# KiCad board rgbwstrip120_250_panel.kicad_pcb (continued)
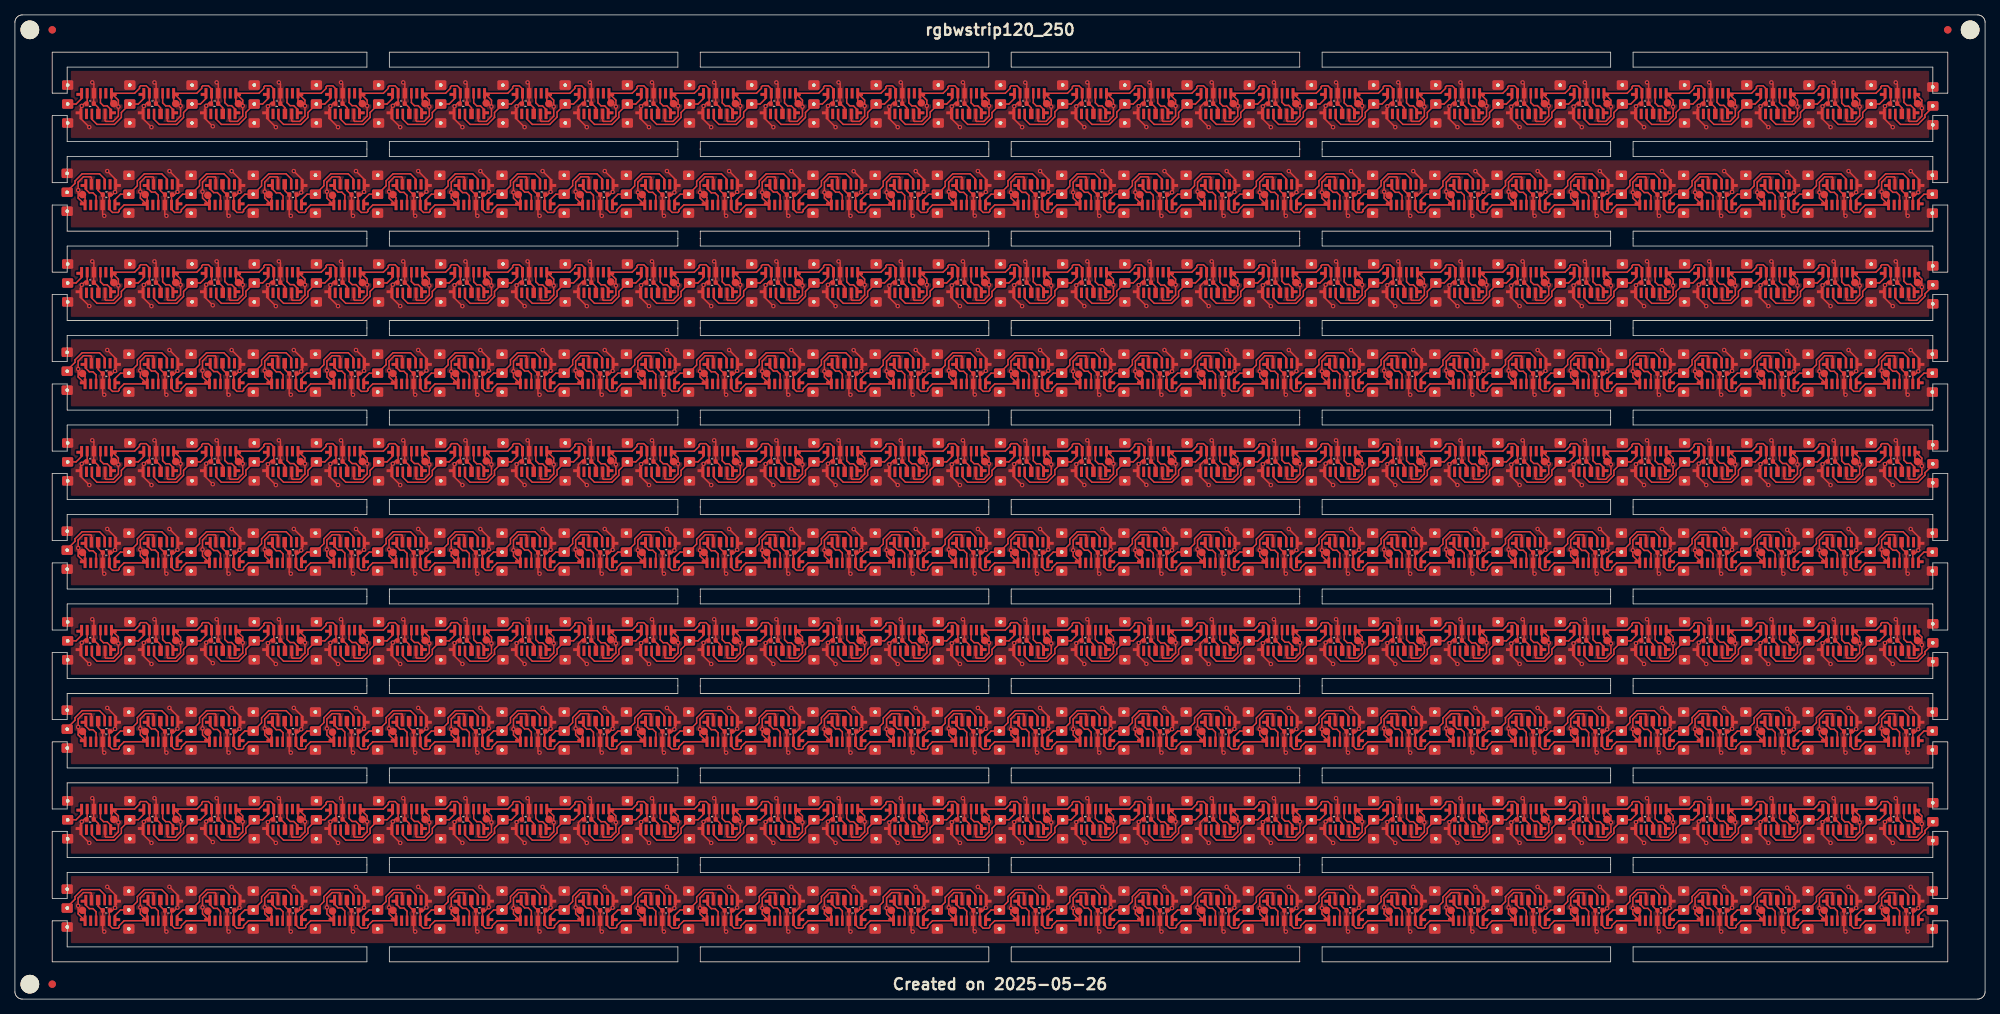
[diagram p0: board, top side]
## Nets (continued)
Board_5-unconnected-(U12-NC-Pad2): U12#7.2
Board_5-unconnected-(U13-NC-Pad2): U13.2
Board_5-unconnected-(U14-NC-Pad2): U14#10.2
Board_5-unconnected-(U15-NC-Pad2): U15#2.2
Board_5-unconnected-(U16-NC-Pad2): U16#10.2
Board_5-unconnected-(U17-NC-Pad2): U17#8.2
Board_5-unconnected-(U18-NC-Pad2): U18#7.2
Board_5-unconnected-(U19-NC-Pad2): U19#3.2
Board_5-unconnected-(U20-NC-Pad2): U20#6.2
Board_5-unconnected-(U21-NC-Pad2): U21#5.2
Board_5-unconnected-(U22-NC-Pad2): U22#5.2
Board_5-unconnected-(U23-NC-Pad2): U23#7.2
Board_5-unconnected-(U24-NC-Pad2): U24#6.2
Board_5-unconnected-(U25-NC-Pad2): U25#7.2
Board_5-unconnected-(U26-NC-Pad2): U26#5.2
Board_5-unconnected-(U27-NC-Pad2): U27#4.2
Board_5-unconnected-(U28-NC-Pad2): U28#2.2
Board_5-unconnected-(U29-NC-Pad2): U29#10.2
Board_5-unconnected-(U30-NC-Pad2): U30#10.2
Board_5-unconnected-(U31-NC-Pad2): U31#10.2
Board_5-unconnected-(U32-NC-Pad2): U32#10.2
Board_5-unconnected-(U33-NC-Pad2): U33#10.2
Board_5-unconnected-(U34-NC-Pad2): U34#3.2
Board_5-unconnected-(U35-NC-Pad2): U35#5.2
Board_5-unconnected-(U36-NC-Pad2): U36#8.2
Board_5-unconnected-(U37-NC-Pad2): U37#3.2
Board_5-unconnected-(U38-NC-Pad2): U38#2.2
Board_5-unconnected-(U39-NC-Pad2): U39#5.2
Board_5-unconnected-(U40-NC-Pad2): U40#10.2
Board_5-unconnected-(U41-NC-Pad2): U41#4.2
Board_5-unconnected-(U42-NC-Pad2): U42#10.2
Board_5-unconnected-(U43-NC-Pad2): U43#7.2
Board_5-unconnected-(U44-NC-Pad2): U44#2.2
Board_5-unconnected-(U45-NC-Pad2): U45#9.2
Board_5-unconnected-(U46-NC-Pad2): U46#9.2
Board_5-unconnected-(U47-NC-Pad2): U47#4.2
Board_5-unconnected-(U48-NC-Pad2): U48#7.2
Board_5-unconnected-(U49-NC-Pad2): U49#8.2
Board_5-unconnected-(U50-NC-Pad2): U50#5.2
Board_5-unconnected-(U51-NC-Pad2): U51#2.2
Board_5-unconnected-(U52-NC-Pad2): U52#3.2
Board_5-unconnected-(U53-NC-Pad2): U53#9.2
Board_5-unconnected-(U54-NC-Pad2): U54.2
Board_5-unconnected-(U55-NC-Pad2): U55.2
Board_5-unconnected-(U56-NC-Pad2): U56#10.2
Board_5-unconnected-(U57-NC-Pad2): U57#9.2
Board_5-unconnected-(U58-NC-Pad2): U58#2.2
Board_5-unconnected-(U59-NC-Pad2): U59#6.2
Board_5-unconnected-(U60-NC-Pad2): U60#6.2
Board_6-+3.3V: C1#6.1 C2.1 C3#10.1 C4#3.1 C5#8.1 C6#3.1 C7#8.1 C8#7.1 C9#5.1 C10#10.1 C11#4.1 C12#2.1 C13#3.1 C14#2.1 C15#9.1 C16#5.1 C17#3.1 C18#2.1 C19#9.1 C20#6.1 C21#10.1 C22#6.1 C23#3.1 C24#2.1 C25.1 C26#6.1 C27#2.1 C28#9.1 C29#5.1 C30#6.1 J1#6.1 J2#4.1 J3#9.1 J4#3.1 J5#8.1 J6#9.1 J7#2.1 J8#2.1 J9#8.1 J10#6.1 J11#3.1 J12#2.1 J13#2.1 J14.1 J15#9.1 J16#2.1 J17#8.1 J18#9.1 J19#5.1 J20#2.1 J21#2.1 J22#7.1 J23#2.1 J24#8.1 J25#7.1 J26#2.1 J27#2.1 J28#5.1 J29#9.1 J30#8.1 J31#4.1 K1#7.1 K2#4.1 K3#4.1 K4#6.1 K5#3.1 K6#6.1 K7#7.1 K8.1 K9#5.1 K10#8.1 K11#3.1 K12#5.1 K13#7.1 K14#8.1 K15#8.1 K16#7.1 K17#9.1 K18#10.1 K19#7.1 K20#7.1 K21.1 K22#5.1 K23.1 K24#9.1 K25#9.1 K26#8.1 K27.1 K28#5.1 K29.1 K30#5.1 U1#5.1 U1#5.5 U2#4.1 U2#4.5 U3#4.1 U3#4.5 U4#9.1 U4#9.5 U5#9.1 U5#9.5 U6#7.1 U6#7.5 U7#2.1 U7#2.5 U8.1 U8.5 U9#9.1 U9#9.5 U10#8.1 U10#8.5 U11#6.1 U11#6.5 U12#4.1 U12#4.5 U13#6.1 U13#6.5 U14#2.1 U14#2.5 U15#8.1 U15#8.5 U16#9.1 U16#9.5 U17#2.1 U17#2.5 U18#4.1 U18#4.5 U19.1 U19.5 U20#2.1 U20#2.5 U21#10.1 U21#10.5 U22#6.1 U22#6.5 U23#4.1 U23#4.5 U24#9.1 U24#9.5 U25#3.1 U25#3.5 U26#3.1 U26#3.5 U27#7.1 U27#7.5 U28#7.1 U28#7.5 U29#9.1 U29#9.5 U30#6.1 U30#6.5 U31#4.1 U31#4.5 U32#6.1 U32#6.5 U33#4.1 U33#4.5 U34#4.1 U34#4.5 U35#4.1 U35#4.5 U36#2.1 U36#2.5 U37#4.1 U37#4.5 U38#10.1 U38#10.5 U39.1 U39.5 U40.1 U40.5 U41#3.1 U41#3.5 U42#2.1 U42#2.5 U43#4.1 U43#4.5 U44#5.1 U44#5.5 U45#7.1 U45#7.5 U46#7.1 U46#7.5 U47#6.1 U47#6.5 U48#9.1 U48#9.5 U49#10.1 U49#10.5 U50#2.1 U50#2.5 U51#5.1 U51#5.5 U52#10.1 U52#10.5 U53#4.1 U53#4.5 U54#10.1 U54#10.5 U55#10.1 U55#10.5 U56#9.1 U56#9.5 U57#8.1 U57#8.5 U58#10.1 U58#10.5 U59#8.1 U59#8.5 U60#4.1 U60#4.5
Board_6-GND: C1#6.2 C2.2 C3#10.2 C4#3.2 C5#8.2 C6#3.2 C7#8.2 C8#7.2 C9#5.2 C10#10.2 C11#4.2 C12#2.2 C13#3.2 C14#2.2 C15#9.2 C16#5.2 C17#3.2 C18#2.2 C19#9.2 C20#6.2 C21#10.2 C22#6.2 C23#3.2 C24#2.2 C25.2 C26#6.2 C27#2.2 C28#9.2 C29#5.2 C30#6.2 J1#6.3 J2#4.3 J3#9.3 J4#3.3 J5#8.3 J6#9.3 J7#2.3 J8#2.3 J9#8.3 J10#6.3 J11#3.3 J12#2.3 J13#2.3 J14.3 J15#9.3 J16#2.3 J17#8.3 J18#9.3 J19#5.3 J20#2.3 J21#2.3 J22#7.3 J23#2.3 J24#8.3 J25#7.3 J26#2.3 J27#2.3 J28#5.3 J29#9.3 J30#8.3 J31#4.3 U1#5.4 U2#4.4 U3#4.4 U4#9.4 U5#9.4 U6#7.4 U7#2.4 U8.4 U9#9.4 U10#8.4 U11#6.4 U12#4.4 U13#6.4 U14#2.4 U15#8.4 U16#9.4 U17#2.4 U18#4.4 U19.4 U20#2.4 U21#10.4 U22#6.4 U23#4.4 U24#9.4 U25#3.4 U26#3.4 U27#7.4 U28#7.4 U29#9.4 U30#6.4 U31#4.4 U32#6.4 U33#4.4 U34#4.4 U35#4.4 U36#2.4 U37#4.4 U38#10.4 U39.4 U40.4 U41#3.4 U42#2.4 U43#4.4 U44#5.4 U45#7.4 U46#7.4 U47#6.4 U48#9.4 U49#10.4 U50#2.4 U51#5.4 U52#10.4 U53#4.4 U54#10.4 U55#10.4 U56#9.4 U57#8.4 U58#10.4 U59#8.4 U60#4.4
Board_6-Net-(J1-Pin_2): J1#6.2 U2#4.6
Board_6-Net-(J2-Pin_2): J2#4.2 U1#5.3 U4#9.6
Board_6-Net-(J3-Pin_2): J3#9.2 U3#4.3 U6#7.6
Board_6-Net-(J4-Pin_2): J4#3.2 U5#9.3 U8.6
Board_6-Net-(J5-Pin_2): J5#8.2 U7#2.3 U10#8.6
Board_6-Net-(J6-Pin_2): J6#9.2 U9#9.3 U12#4.6
Board_6-Net-(J7-Pin_2): J7#2.2 U11#6.3 U14#2.6
Board_6-Net-(J8-Pin_2): J8#2.2 U13#6.3 U16#9.6
Board_6-Net-(J9-Pin_2): J9#8.2 U15#8.3 U18#4.6
Board_6-Net-(J10-Pin_2): J10#6.2 U17#2.3 U20#2.6
Board_6-Net-(J11-Pin_2): J11#3.2 U19.3 U22#6.6
Board_6-Net-(J12-Pin_2): J12#2.2 U21#10.3 U24#9.6
Board_6-Net-(J13-Pin_2): J13#2.2 U23#4.3 U26#3.6
Board_6-Net-(J14-Pin_2): J14.2 U25#3.3 U28#7.6
Board_6-Net-(J15-Pin_2): J15#9.2 U27#7.3 U30#6.6
Board_6-Net-(J16-Pin_2): J16#2.2 U29#9.3 U32#6.6
Board_6-Net-(J17-Pin_2): J17#8.2 U31#4.3 U34#4.6
Board_6-Net-(J18-Pin_2): J18#9.2 U33#4.3 U36#2.6
Board_6-Net-(J19-Pin_2): J19#5.2 U35#4.3 U38#10.6
Board_6-Net-(J20-Pin_2): J20#2.2 U37#4.3 U40.6
Board_6-Net-(J21-Pin_2): J21#2.2 U39.3 U42#2.6
Board_6-Net-(J22-Pin_2): J22#7.2 U41#3.3 U44#5.6
Board_6-Net-(J23-Pin_2): J23#2.2 U43#4.3 U46#7.6
Board_6-Net-(J24-Pin_2): J24#8.2 U45#7.3 U48#9.6
Board_6-Net-(J25-Pin_2): J25#7.2 U47#6.3 U50#2.6
Board_6-Net-(J26-Pin_2): J26#2.2 U49#10.3 U52#10.6
Board_6-Net-(J27-Pin_2): J27#2.2 U51#5.3 U54#10.6
Board_6-Net-(J28-Pin_2): J28#5.2 U53#4.3 U56#9.6
Board_6-Net-(J29-Pin_2): J29#9.2 U55#10.3 U58#10.6
Board_6-Net-(J30-Pin_2): J30#8.2 U57#8.3 U60#4.6
Board_6-Net-(J31-Pin_2): J31#4.2 U59#8.3
Board_6-Net-(U1-DIN): U1#5.6 U2#4.3
Board_6-Net-(U3-DIN): U3#4.6 U4#9.3
Board_6-Net-(U5-DIN): U5#9.6 U6#7.3
Board_6-Net-(U7-DIN): U7#2.6 U8.3
Board_6-Net-(U10-DOUT): U9#9.6 U10#8.3
Board_6-Net-(U11-DIN): U11#6.6 U12#4.3
Board_6-Net-(U13-DIN): U13#6.6 U14#2.3
Board_6-Net-(U15-DIN): U15#8.6 U16#9.3
Board_6-Net-(U17-DIN): U17#2.6 U18#4.3
Board_6-Net-(U19-DIN): U19.6 U20#2.3
Board_6-Net-(U21-DIN): U21#10.6 U22#6.3
Board_6-Net-(U23-DIN): U23#4.6 U24#9.3
Board_6-Net-(U25-DIN): U25#3.6 U26#3.3
Board_6-Net-(U27-DIN): U27#7.6 U28#7.3
Board_6-Net-(U29-DIN): U29#9.6 U30#6.3
Board_6-Net-(U31-DIN): U31#4.6 U32#6.3
Board_6-Net-(U33-DIN): U33#4.6 U34#4.3
Board_6-Net-(U35-DIN): U35#4.6 U36#2.3
Board_6-Net-(U37-DIN): U37#4.6 U38#10.3
Board_6-Net-(U39-DIN): U39.6 U40.3
Board_6-Net-(U41-DIN): U41#3.6 U42#2.3
Board_6-Net-(U43-DIN): U43#4.6 U44#5.3
Board_6-Net-(U45-DIN): U45#7.6 U46#7.3
Board_6-Net-(U47-DIN): U47#6.6 U48#9.3
Board_6-Net-(U49-DIN): U49#10.6 U50#2.3
Board_6-Net-(U51-DIN): U51#5.6 U52#10.3
Board_6-Net-(U53-DIN): U53#4.6 U54#10.3
Board_6-Net-(U55-DIN): U55#10.6 U56#9.3
Board_6-Net-(U57-DIN): U57#8.6 U58#10.3
Board_6-Net-(U59-DIN): U59#8.6 U60#4.3
Board_6-unconnected-(U1-NC-Pad2): U1#5.2
Board_6-unconnected-(U2-NC-Pad2): U2#4.2
Board_6-unconnected-(U3-NC-Pad2): U3#4.2
Board_6-unconnected-(U4-NC-Pad2): U4#9.2
Board_6-unconnected-(U5-NC-Pad2): U5#9.2
Board_6-unconnected-(U6-NC-Pad2): U6#7.2
Board_6-unconnected-(U7-NC-Pad2): U7#2.2
Board_6-unconnected-(U8-NC-Pad2): U8.2
Board_6-unconnected-(U9-NC-Pad2): U9#9.2
Board_6-unconnected-(U10-NC-Pad2): U10#8.2
Board_6-unconnected-(U11-NC-Pad2): U11#6.2
Board_6-unconnected-(U12-NC-Pad2): U12#4.2
Board_6-unconnected-(U13-NC-Pad2): U13#6.2
Board_6-unconnected-(U14-NC-Pad2): U14#2.2
Board_6-unconnected-(U15-NC-Pad2): U15#8.2
Board_6-unconnected-(U16-NC-Pad2): U16#9.2
Board_6-unconnected-(U17-NC-Pad2): U17#2.2
Board_6-unconnected-(U18-NC-Pad2): U18#4.2
Board_6-unconnected-(U19-NC-Pad2): U19.2
Board_6-unconnected-(U20-NC-Pad2): U20#2.2
Board_6-unconnected-(U21-NC-Pad2): U21#10.2
Board_6-unconnected-(U22-NC-Pad2): U22#6.2
Board_6-unconnected-(U23-NC-Pad2): U23#4.2
Board_6-unconnected-(U24-NC-Pad2): U24#9.2
Board_6-unconnected-(U25-NC-Pad2): U25#3.2
Board_6-unconnected-(U26-NC-Pad2): U26#3.2
Board_6-unconnected-(U27-NC-Pad2): U27#7.2
Board_6-unconnected-(U28-NC-Pad2): U28#7.2
Board_6-unconnected-(U29-NC-Pad2): U29#9.2
Board_6-unconnected-(U30-NC-Pad2): U30#6.2
Board_6-unconnected-(U31-NC-Pad2): U31#4.2
Board_6-unconnected-(U32-NC-Pad2): U32#6.2
Board_6-unconnected-(U33-NC-Pad2): U33#4.2
Board_6-unconnected-(U34-NC-Pad2): U34#4.2
Board_6-unconnected-(U35-NC-Pad2): U35#4.2
Board_6-unconnected-(U36-NC-Pad2): U36#2.2
Board_6-unconnected-(U37-NC-Pad2): U37#4.2
Board_6-unconnected-(U38-NC-Pad2): U38#10.2
Board_6-unconnected-(U39-NC-Pad2): U39.2
Board_6-unconnected-(U40-NC-Pad2): U40.2
Board_6-unconnected-(U41-NC-Pad2): U41#3.2
Board_6-unconnected-(U42-NC-Pad2): U42#2.2
Board_6-unconnected-(U43-NC-Pad2): U43#4.2
Board_6-unconnected-(U44-NC-Pad2): U44#5.2
Board_6-unconnected-(U45-NC-Pad2): U45#7.2
Board_6-unconnected-(U46-NC-Pad2): U46#7.2
Board_6-unconnected-(U47-NC-Pad2): U47#6.2
Board_6-unconnected-(U48-NC-Pad2): U48#9.2
Board_6-unconnected-(U49-NC-Pad2): U49#10.2
Board_6-unconnected-(U50-NC-Pad2): U50#2.2
Board_6-unconnected-(U51-NC-Pad2): U51#5.2
Board_6-unconnected-(U52-NC-Pad2): U52#10.2
Board_6-unconnected-(U53-NC-Pad2): U53#4.2
Board_6-unconnected-(U54-NC-Pad2): U54#10.2
Board_6-unconnected-(U55-NC-Pad2): U55#10.2
Board_6-unconnected-(U56-NC-Pad2): U56#9.2
Board_6-unconnected-(U57-NC-Pad2): U57#8.2
Board_6-unconnected-(U58-NC-Pad2): U58#10.2
Board_6-unconnected-(U59-NC-Pad2): U59#8.2
Board_6-unconnected-(U60-NC-Pad2): U60#4.2
Board_7-+3.3V: C1#4.1 C2#4.1 C3#4.1 C4#5.1 C5#6.1 C6#5.1 C7#5.1 C8#2.1 C9#7.1 C10#5.1 C11#5.1 C12.1 C13#6.1 C14#10.1 C15#5.1 C16#9.1 C17#8.1 C18#8.1 C19.1 C20#5.1 C21.1 C22#3.1 C23#6.1 C24#5.1 C25#9.1 C26#5.1 C27#5.1 C28#5.1 C29#3.1 C30#2.1 J1#8.1 J2#8.1 J3#8.1 J4#7.1 J5#9.1 J6#2.1 J7.1 J8#7.1 J9#5.1 J10#7.1 J11#8.1 J12#10.1 J13#3.1 J14#3.1 J15#7.1 J16#6.1 J17#7.1 J18#8.1 J19#6.1 J20#10.1 J21#9.1 J22#6.1 J23#4.1 J24#5.1 J25#8.1 J26.1 J27#3.1 J28#10.1 J29#2.1 J30#5.1 J31#2.1 K1#9.1 K2#5.1 K3#8.1 K4#4.1 K5#2.1 K6#10.1 K7#8.1 K8#9.1 K9#8.1 K10#2.1 K11#9.1 K12#10.1 K13.1 K14#5.1 K15.1 K16#6.1 K17.1 K18#6.1 K19#3.1 K20#8.1 K21#4.1 K22#2.1 K23#2.1 K24.1 K25.1 K26#3.1 K27#4.1 K28#8.1 K29#3.1 K30#9.1 U1#4.1 U1#4.5 U2#3.1 U2#3.5 U3.1 U3.5 U4#10.1 U4#10.5 U5#3.1 U5#3.5 U6#2.1 U6#2.5 U7#8.1 U7#8.5 U8#4.1 U8#4.5 U9#3.1 U9#3.5 U10#5.1 U10#5.5 U11#4.1 U11#4.5 U12#2.1 U12#2.5 U13#10.1 U13#10.5 U14#4.1 U14#4.5 U15#6.1 U15#6.5 U16#7.1 U16#7.5 U17#4.1 U17#4.5 U18#2.1 U18#2.5 U19#5.1 U19#5.5 U20#8.1 U20#8.5 U21#2.1 U21#2.5 U22#8.1 U22#8.5 U23#2.1 U23#2.5 U24#10.1 U24#10.5 U25#2.1 U25#2.5 U26#8.1 U26#8.5 U27.1 U27.5 U28#6.1 U28#6.5 U29#4.1 U29#4.5 U30.1 U30.5 U31#7.1 U31#7.5 U32#8.1 U32#8.5 U33.1 U33.5 U34#8.1 U34#8.5 U35#2.1 U35#2.5 U36#7.1 U36#7.5 U37#7.1 U37#7.5 U38#5.1 U38#5.5 U39#9.1 U39#9.5 U40#4.1 U40#4.5 U41#6.1 U41#6.5 U42#5.1 U42#5.5 U43#6.1 U43#6.5 U44#8.1 U44#8.5 U45#4.1 U45#4.5 U46#10.1 U46#10.5 U47#3.1 U47#3.5 U48#4.1 U48#4.5 U49#9.1 U49#9.5 U50#6.1 U50#6.5 U51#7.1 U51#7.5 U52.1 U52.5 U53.1 U53.5 U54#3.1 U54#3.5 U55#8.1 U55#8.5 U56#7.1 U56#7.5 U57#3.1 U57#3.5 U58.1 U58.5 U59#5.1 U59#5.5 U60#7.1 U60#7.5
Board_7-GND: C1#4.2 C2#4.2 C3#4.2 C4#5.2 C5#6.2 C6#5.2 C7#5.2 C8#2.2 C9#7.2 C10#5.2 C11#5.2 C12.2 C13#6.2 C14#10.2 C15#5.2 C16#9.2 C17#8.2 C18#8.2 C19.2 C20#5.2 C21.2 C22#3.2 C23#6.2 C24#5.2 C25#9.2 C26#5.2 C27#5.2 C28#5.2 C29#3.2 C30#2.2 J1#8.3 J2#8.3 J3#8.3 J4#7.3 J5#9.3 J6#2.3 J7.3 J8#7.3 J9#5.3 J10#7.3 J11#8.3 J12#10.3 J13#3.3 J14#3.3 J15#7.3 J16#6.3 J17#7.3 J18#8.3 J19#6.3 J20#10.3 J21#9.3 J22#6.3 J23#4.3 J24#5.3 J25#8.3 J26.3 J27#3.3 J28#10.3 J29#2.3 J30#5.3 J31#2.3 U1#4.4 U2#3.4 U3.4 U4#10.4 U5#3.4 U6#2.4 U7#8.4 U8#4.4 U9#3.4 U10#5.4 U11#4.4 U12#2.4 U13#10.4 U14#4.4 U15#6.4 U16#7.4 U17#4.4 U18#2.4 U19#5.4 U20#8.4 U21#2.4 U22#8.4 U23#2.4 U24#10.4 U25#2.4 U26#8.4 U27.4 U28#6.4 U29#4.4 U30.4 U31#7.4 U32#8.4 U33.4 U34#8.4 U35#2.4 U36#7.4 U37#7.4 U38#5.4 U39#9.4 U40#4.4 U41#6.4 U42#5.4 U43#6.4 U44#8.4 U45#4.4 U46#10.4 U47#3.4 U48#4.4 U49#9.4 U50#6.4 U51#7.4 U52.4 U53.4 U54#3.4 U55#8.4 U56#7.4 U57#3.4 U58.4 U59#5.4 U60#7.4
Board_7-Net-(J1-Pin_2): J1#8.2 U2#3.6
Board_7-Net-(J2-Pin_2): J2#8.2 U1#4.3 U4#10.6
Board_7-Net-(J3-Pin_2): J3#8.2 U3.3 U6#2.6
Board_7-Net-(J4-Pin_2): J4#7.2 U5#3.3 U8#4.6
Board_7-Net-(J5-Pin_2): J5#9.2 U7#8.3 U10#5.6
Board_7-Net-(J6-Pin_2): J6#2.2 U9#3.3 U12#2.6
Board_7-Net-(J7-Pin_2): J7.2 U11#4.3 U14#4.6
Board_7-Net-(J8-Pin_2): J8#7.2 U13#10.3 U16#7.6
Board_7-Net-(J9-Pin_2): J9#5.2 U15#6.3 U18#2.6
Board_7-Net-(J10-Pin_2): J10#7.2 U17#4.3 U20#8.6
Board_7-Net-(J11-Pin_2): J11#8.2 U19#5.3 U22#8.6
Board_7-Net-(J12-Pin_2): J12#10.2 U21#2.3 U24#10.6
Board_7-Net-(J13-Pin_2): J13#3.2 U23#2.3 U26#8.6
Board_7-Net-(J14-Pin_2): J14#3.2 U25#2.3 U28#6.6
Board_7-Net-(J15-Pin_2): J15#7.2 U27.3 U30.6
Board_7-Net-(J16-Pin_2): J16#6.2 U29#4.3 U32#8.6
Board_7-Net-(J17-Pin_2): J17#7.2 U31#7.3 U34#8.6
Board_7-Net-(J18-Pin_2): J18#8.2 U33.3 U36#7.6
Board_7-Net-(J19-Pin_2): J19#6.2 U35#2.3 U38#5.6
Board_7-Net-(J20-Pin_2): J20#10.2 U37#7.3 U40#4.6
Board_7-Net-(J21-Pin_2): J21#9.2 U39#9.3 U42#5.6
Board_7-Net-(J22-Pin_2): J22#6.2 U41#6.3 U44#8.6
Board_7-Net-(J23-Pin_2): J23#4.2 U43#6.3 U46#10.6
Board_7-Net-(J24-Pin_2): J24#5.2 U45#4.3 U48#4.6
Board_7-Net-(J25-Pin_2): J25#8.2 U47#3.3 U50#6.6
Board_7-Net-(J26-Pin_2): J26.2 U49#9.3 U52.6
Board_7-Net-(J27-Pin_2): J27#3.2 U51#7.3 U54#3.6
Board_7-Net-(J28-Pin_2): J28#10.2 U53.3 U56#7.6
Board_7-Net-(J29-Pin_2): J29#2.2 U55#8.3 U58.6
Board_7-Net-(J30-Pin_2): J30#5.2 U57#3.3 U60#7.6
Board_7-Net-(J31-Pin_2): J31#2.2 U59#5.3
Board_7-Net-(U1-DIN): U1#4.6 U2#3.3
Board_7-Net-(U3-DIN): U3.6 U4#10.3
Board_7-Net-(U5-DIN): U5#3.6 U6#2.3
Board_7-Net-(U7-DIN): U7#8.6 U8#4.3
Board_7-Net-(U10-DOUT): U9#3.6 U10#5.3
Board_7-Net-(U11-DIN): U11#4.6 U12#2.3
Board_7-Net-(U13-DIN): U13#10.6 U14#4.3
Board_7-Net-(U15-DIN): U15#6.6 U16#7.3
Board_7-Net-(U17-DIN): U17#4.6 U18#2.3
Board_7-Net-(U19-DIN): U19#5.6 U20#8.3
Board_7-Net-(U21-DIN): U21#2.6 U22#8.3
Board_7-Net-(U23-DIN): U23#2.6 U24#10.3
Board_7-Net-(U25-DIN): U25#2.6 U26#8.3
Board_7-Net-(U27-DIN): U27.6 U28#6.3
Board_7-Net-(U29-DIN): U29#4.6 U30.3
Board_7-Net-(U31-DIN): U31#7.6 U32#8.3
Board_7-Net-(U33-DIN): U33.6 U34#8.3
Board_7-Net-(U35-DIN): U35#2.6 U36#7.3
Board_7-Net-(U37-DIN): U37#7.6 U38#5.3
Board_7-Net-(U39-DIN): U39#9.6 U40#4.3
Board_7-Net-(U41-DIN): U41#6.6 U42#5.3
Board_7-Net-(U43-DIN): U43#6.6 U44#8.3
Board_7-Net-(U45-DIN): U45#4.6 U46#10.3
Board_7-Net-(U47-DIN): U47#3.6 U48#4.3
Board_7-Net-(U49-DIN): U49#9.6 U50#6.3
Board_7-Net-(U51-DIN): U51#7.6 U52.3
Board_7-Net-(U53-DIN): U53.6 U54#3.3
Board_7-Net-(U55-DIN): U55#8.6 U56#7.3
Board_7-Net-(U57-DIN): U57#3.6 U58.3
Board_7-Net-(U59-DIN): U59#5.6 U60#7.3
Board_7-unconnected-(U1-NC-Pad2): U1#4.2
Board_7-unconnected-(U2-NC-Pad2): U2#3.2
Board_7-unconnected-(U3-NC-Pad2): U3.2
Board_7-unconnected-(U4-NC-Pad2): U4#10.2
Board_7-unconnected-(U5-NC-Pad2): U5#3.2
Board_7-unconnected-(U6-NC-Pad2): U6#2.2
Board_7-unconnected-(U7-NC-Pad2): U7#8.2
Board_7-unconnected-(U8-NC-Pad2): U8#4.2
Board_7-unconnected-(U9-NC-Pad2): U9#3.2
Board_7-unconnected-(U10-NC-Pad2): U10#5.2
Board_7-unconnected-(U11-NC-Pad2): U11#4.2
Board_7-unconnected-(U12-NC-Pad2): U12#2.2
Board_7-unconnected-(U13-NC-Pad2): U13#10.2
Board_7-unconnected-(U14-NC-Pad2): U14#4.2
Board_7-unconnected-(U15-NC-Pad2): U15#6.2
Board_7-unconnected-(U16-NC-Pad2): U16#7.2
Board_7-unconnected-(U17-NC-Pad2): U17#4.2
Board_7-unconnected-(U18-NC-Pad2): U18#2.2
Board_7-unconnected-(U19-NC-Pad2): U19#5.2
Board_7-unconnected-(U20-NC-Pad2): U20#8.2
Board_7-unconnected-(U21-NC-Pad2): U21#2.2
Board_7-unconnected-(U22-NC-Pad2): U22#8.2
Board_7-unconnected-(U23-NC-Pad2): U23#2.2
Board_7-unconnected-(U24-NC-Pad2): U24#10.2
Board_7-unconnected-(U25-NC-Pad2): U25#2.2
Board_7-unconnected-(U26-NC-Pad2): U26#8.2
Board_7-unconnected-(U27-NC-Pad2): U27.2
Board_7-unconnected-(U28-NC-Pad2): U28#6.2
Board_7-unconnected-(U29-NC-Pad2): U29#4.2
Board_7-unconnected-(U30-NC-Pad2): U30.2
Board_7-unconnected-(U31-NC-Pad2): U31#7.2
Board_7-unconnected-(U32-NC-Pad2): U32#8.2
Board_7-unconnected-(U33-NC-Pad2): U33.2
Board_7-unconnected-(U34-NC-Pad2): U34#8.2
Board_7-unconnected-(U35-NC-Pad2): U35#2.2
Board_7-unconnected-(U36-NC-Pad2): U36#7.2
Board_7-unconnected-(U37-NC-Pad2): U37#7.2
Board_7-unconnected-(U38-NC-Pad2): U38#5.2
Board_7-unconnected-(U39-NC-Pad2): U39#9.2
Board_7-unconnected-(U40-NC-Pad2): U40#4.2
Board_7-unconnected-(U41-NC-Pad2): U41#6.2
Board_7-unconnected-(U42-NC-Pad2): U42#5.2
Board_7-unconnected-(U43-NC-Pad2): U43#6.2
Board_7-unconnected-(U44-NC-Pad2): U44#8.2
Board_7-unconnected-(U45-NC-Pad2): U45#4.2
Board_7-unconnected-(U46-NC-Pad2): U46#10.2
Board_7-unconnected-(U47-NC-Pad2): U47#3.2
Board_7-unconnected-(U48-NC-Pad2): U48#4.2
Board_7-unconnected-(U49-NC-Pad2): U49#9.2
Board_7-unconnected-(U50-NC-Pad2): U50#6.2
Board_7-unconnected-(U51-NC-Pad2): U51#7.2
Board_7-unconnected-(U52-NC-Pad2): U52.2
Board_7-unconnected-(U53-NC-Pad2): U53.2
Board_7-unconnected-(U54-NC-Pad2): U54#3.2
Board_7-unconnected-(U55-NC-Pad2): U55#8.2
Board_7-unconnected-(U56-NC-Pad2): U56#7.2
Board_7-unconnected-(U57-NC-Pad2): U57#3.2
Board_7-unconnected-(U58-NC-Pad2): U58.2
Board_7-unconnected-(U59-NC-Pad2): U59#5.2
Board_7-unconnected-(U60-NC-Pad2): U60#7.2
Board_8-+3.3V: C1#9.1 C2#7.1 C3#9.1 C4#4.1 C5#10.1 C6#4.1 C7.1 C8#5.1 C9#9.1 C10#9.1 C11#9.1 C12#3.1 C13#4.1 C14#9.1 C15#2.1 C16.1 C17#5.1 C18#3.1 C19#5.1 C20#8.1 C21#7.1 C22#10.1 C23#9.1 C24#7.1 C25#7.1 C26#4.1 C27#6.1 C28#7.1 C29.1 C30#10.1 J1#2.1 J2#3.1 J3#7.1 J4#8.1 J5#4.1 J6#3.1 J7#9.1 J8#8.1 J9#7.1 J10#4.1 J11#5.1 J12#4.1 J13#8.1 J14#2.1 J15#4.1 J16.1 J17#4.1 J18#6.1 J19#9.1 J20#8.1 J21#4.1 J22#8.1 J23#3.1 J24#7.1 J25#4.1 J26#5.1 J27#6.1 J28#6.1 J29#3.1 J30#3.1 J31#7.1 K1#2.1 K2#3.1 K3#7.1 K4#9.1 K5#9.1 K6#3.1 K7.1 K8#7.1 K9#7.1 K10#7.1 K11.1 K12#8.1 K13#6.1 K14#3.1 K15#9.1 K16#8.1 K17#2.1 K18.1 K19#5.1 K20#5.1 K21#2.1 K22.1 K23#6.1 K24#2.1 K25#7.1 K26#7.1 K27#3.1 K28#4.1 K29#10.1 K30#10.1 U1#10.1 U1#10.5 U2#6.1 U2#6.5 U3#7.1 U3#7.5 U4.1 U4.5 U5#4.1 U5#4.5 U6#8.1 U6#8.5 U7#6.1 U7#6.5 U8#7.1 U8#7.5 U9#5.1 U9#5.5 U10#2.1 U10#2.5 U11#3.1 U11#3.5 U12#9.1 U12#9.5 U13#9.1 U13#9.5 U14#9.1 U14#9.5 U15#4.1 U15#4.5 U16#6.1 U16#6.5 U17#5.1 U17#5.5 U18#6.1 U18#6.5 U19#10.1 U19#10.5 U20#3.1 U20#3.5 U21#8.1 U21#8.5 U22#9.1 U22#9.5 U23#5.1 U23#5.5 U24#3.1 U24#3.5 U25.1 U25.5 U26#2.1 U26#2.5 U27#6.1 U27#6.5 U28#5.1 U28#5.5 U29#6.1 U29#6.5 U30#2.1 U30#2.5 U31.1 U31.5 U32#3.1 U32#3.5 U33#8.1 U33#8.5 U34#7.1 U34#7.5 U35#7.1 U35#7.5 U36#3.1 U36#3.5 U37#10.1 U37#10.5 U38#6.1 U38#6.5 U39#2.1 U39#2.5 U40#6.1 U40#6.5 U41#9.1 U41#9.5 U42#8.1 U42#8.5 U43#10.1 U43#10.5 U44#6.1 U44#6.5 U45#3.1 U45#3.5 U46#6.1 U46#6.5 U47#8.1 U47#8.5 U48.1 U48.5 U49#6.1 U49#6.5 U50#10.1 U50#10.5 U51#8.1 U51#8.5 U52#4.1 U52#4.5 U53#8.1 U53#8.5 U54#9.1 U54#9.5 U55#9.1 U55#9.5 U56#6.1 U56#6.5 U57#5.1 U57#5.5 U58#9.1 U58#9.5 U59.1 U59.5 U60.1 U60.5
Board_8-GND: C1#9.2 C2#7.2 C3#9.2 C4#4.2 C5#10.2 C6#4.2 C7.2 C8#5.2 C9#9.2 C10#9.2 C11#9.2 C12#3.2 C13#4.2 C14#9.2 C15#2.2 C16.2 C17#5.2 C18#3.2 C19#5.2 C20#8.2 C21#7.2 C22#10.2 C23#9.2 C24#7.2 C25#7.2 C26#4.2 C27#6.2 C28#7.2 C29.2 C30#10.2 J1#2.3 J2#3.3 J3#7.3 J4#8.3 J5#4.3 J6#3.3 J7#9.3 J8#8.3 J9#7.3 J10#4.3 J11#5.3 J12#4.3 J13#8.3 J14#2.3 J15#4.3 J16.3 J17#4.3 J18#6.3 J19#9.3 J20#8.3 J21#4.3 J22#8.3 J23#3.3 J24#7.3 J25#4.3 J26#5.3 J27#6.3 J28#6.3 J29#3.3 J30#3.3 J31#7.3 U1#10.4 U2#6.4 U3#7.4 U4.4 U5#4.4 U6#8.4 U7#6.4 U8#7.4 U9#5.4 U10#2.4 U11#3.4 U12#9.4 U13#9.4 U14#9.4 U15#4.4 U16#6.4 U17#5.4 U18#6.4 U19#10.4 U20#3.4 U21#8.4 U22#9.4 U23#5.4 U24#3.4 U25.4 U26#2.4 U27#6.4 U28#5.4 U29#6.4 U30#2.4 U31.4 U32#3.4 U33#8.4 U34#7.4 U35#7.4 U36#3.4 U37#10.4 U38#6.4 U39#2.4 U40#6.4 U41#9.4 U42#8.4 U43#10.4 U44#6.4 U45#3.4 U46#6.4 U47#8.4 U48.4 U49#6.4 U50#10.4 U51#8.4 U52#4.4 U53#8.4 U54#9.4 U55#9.4 U56#6.4 U57#5.4 U58#9.4 U59.4 U60.4
Board_8-Net-(J1-Pin_2): J1#2.2 U2#6.6
Board_8-Net-(J2-Pin_2): J2#3.2 U1#10.3 U4.6
Board_8-Net-(J3-Pin_2): J3#7.2 U3#7.3 U6#8.6
Board_8-Net-(J4-Pin_2): J4#8.2 U5#4.3 U8#7.6
Board_8-Net-(J5-Pin_2): J5#4.2 U7#6.3 U10#2.6
Board_8-Net-(J6-Pin_2): J6#3.2 U9#5.3 U12#9.6
Board_8-Net-(J7-Pin_2): J7#9.2 U11#3.3 U14#9.6
Board_8-Net-(J8-Pin_2): J8#8.2 U13#9.3 U16#6.6
Board_8-Net-(J9-Pin_2): J9#7.2 U15#4.3 U18#6.6
Board_8-Net-(J10-Pin_2): J10#4.2 U17#5.3 U20#3.6
Board_8-Net-(J11-Pin_2): J11#5.2 U19#10.3 U22#9.6
Board_8-Net-(J12-Pin_2): J12#4.2 U21#8.3 U24#3.6
Board_8-Net-(J13-Pin_2): J13#8.2 U23#5.3 U26#2.6
Board_8-Net-(J14-Pin_2): J14#2.2 U25.3 U28#5.6
Board_8-Net-(J15-Pin_2): J15#4.2 U27#6.3 U30#2.6
Board_8-Net-(J16-Pin_2): J16.2 U29#6.3 U32#3.6
Board_8-Net-(J17-Pin_2): J17#4.2 U31.3 U34#7.6
Board_8-Net-(J18-Pin_2): J18#6.2 U33#8.3 U36#3.6
Board_8-Net-(J19-Pin_2): J19#9.2 U35#7.3 U38#6.6
Board_8-Net-(J20-Pin_2): J20#8.2 U37#10.3 U40#6.6
Board_8-Net-(J21-Pin_2): J21#4.2 U39#2.3 U42#8.6
Board_8-Net-(J22-Pin_2): J22#8.2 U41#9.3 U44#6.6
Board_8-Net-(J23-Pin_2): J23#3.2 U43#10.3 U46#6.6
Board_8-Net-(J24-Pin_2): J24#7.2 U45#3.3 U48.6
Board_8-Net-(J25-Pin_2): J25#4.2 U47#8.3 U50#10.6
Board_8-Net-(J26-Pin_2): J26#5.2 U49#6.3 U52#4.6
Board_8-Net-(J27-Pin_2): J27#6.2 U51#8.3 U54#9.6
Board_8-Net-(J28-Pin_2): J28#6.2 U53#8.3 U56#6.6
Board_8-Net-(J29-Pin_2): J29#3.2 U55#9.3 U58#9.6
Board_8-Net-(J30-Pin_2): J30#3.2 U57#5.3 U60.6
Board_8-Net-(J31-Pin_2): J31#7.2 U59.3
Board_8-Net-(U1-DIN): U1#10.6 U2#6.3
Board_8-Net-(U3-DIN): U3#7.6 U4.3
Board_8-Net-(U5-DIN): U5#4.6 U6#8.3
Board_8-Net-(U7-DIN): U7#6.6 U8#7.3
Board_8-Net-(U10-DOUT): U9#5.6 U10#2.3
Board_8-Net-(U11-DIN): U11#3.6 U12#9.3
Board_8-Net-(U13-DIN): U13#9.6 U14#9.3
Board_8-Net-(U15-DIN): U15#4.6 U16#6.3
Board_8-Net-(U17-DIN): U17#5.6 U18#6.3
Board_8-Net-(U19-DIN): U19#10.6 U20#3.3
Board_8-Net-(U21-DIN): U21#8.6 U22#9.3
Board_8-Net-(U23-DIN): U23#5.6 U24#3.3
Board_8-Net-(U25-DIN): U25.6 U26#2.3
Board_8-Net-(U27-DIN): U27#6.6 U28#5.3
Board_8-Net-(U29-DIN): U29#6.6 U30#2.3
Board_8-Net-(U31-DIN): U31.6 U32#3.3
Board_8-Net-(U33-DIN): U33#8.6 U34#7.3
Board_8-Net-(U35-DIN): U35#7.6 U36#3.3
Board_8-Net-(U37-DIN): U37#10.6 U38#6.3
Board_8-Net-(U39-DIN): U39#2.6 U40#6.3
Board_8-Net-(U41-DIN): U41#9.6 U42#8.3
Board_8-Net-(U43-DIN): U43#10.6 U44#6.3
Board_8-Net-(U45-DIN): U45#3.6 U46#6.3
Board_8-Net-(U47-DIN): U47#8.6 U48.3
Board_8-Net-(U49-DIN): U49#6.6 U50#10.3
Board_8-Net-(U51-DIN): U51#8.6 U52#4.3
Board_8-Net-(U53-DIN): U53#8.6 U54#9.3
Board_8-Net-(U55-DIN): U55#9.6 U56#6.3
Board_8-Net-(U57-DIN): U57#5.6 U58#9.3
Board_8-Net-(U59-DIN): U59.6 U60.3
Board_8-unconnected-(U1-NC-Pad2): U1#10.2
Board_8-unconnected-(U2-NC-Pad2): U2#6.2
Board_8-unconnected-(U3-NC-Pad2): U3#7.2
Board_8-unconnected-(U4-NC-Pad2): U4.2
Board_8-unconnected-(U5-NC-Pad2): U5#4.2
Board_8-unconnected-(U6-NC-Pad2): U6#8.2
Board_8-unconnected-(U7-NC-Pad2): U7#6.2
Board_8-unconnected-(U8-NC-Pad2): U8#7.2
Board_8-unconnected-(U9-NC-Pad2): U9#5.2
Board_8-unconnected-(U10-NC-Pad2): U10#2.2
Board_8-unconnected-(U11-NC-Pad2): U11#3.2
Board_8-unconnected-(U12-NC-Pad2): U12#9.2
Board_8-unconnected-(U13-NC-Pad2): U13#9.2
Board_8-unconnected-(U14-NC-Pad2): U14#9.2
Board_8-unconnected-(U15-NC-Pad2): U15#4.2
Board_8-unconnected-(U16-NC-Pad2): U16#6.2
Board_8-unconnected-(U17-NC-Pad2): U17#5.2
Board_8-unconnected-(U18-NC-Pad2): U18#6.2
Board_8-unconnected-(U19-NC-Pad2): U19#10.2
Board_8-unconnected-(U20-NC-Pad2): U20#3.2
Board_8-unconnected-(U21-NC-Pad2): U21#8.2
Board_8-unconnected-(U22-NC-Pad2): U22#9.2
Board_8-unconnected-(U23-NC-Pad2): U23#5.2
Board_8-unconnected-(U24-NC-Pad2): U24#3.2
Board_8-unconnected-(U25-NC-Pad2): U25.2
Board_8-unconnected-(U26-NC-Pad2): U26#2.2
Board_8-unconnected-(U27-NC-Pad2): U27#6.2
Board_8-unconnected-(U28-NC-Pad2): U28#5.2
Board_8-unconnected-(U29-NC-Pad2): U29#6.2
Board_8-unconnected-(U30-NC-Pad2): U30#2.2
Board_8-unconnected-(U31-NC-Pad2): U31.2
Board_8-unconnected-(U32-NC-Pad2): U32#3.2
Board_8-unconnected-(U33-NC-Pad2): U33#8.2
Board_8-unconnected-(U34-NC-Pad2): U34#7.2
Board_8-unconnected-(U35-NC-Pad2): U35#7.2
Board_8-unconnected-(U36-NC-Pad2): U36#3.2
Board_8-unconnected-(U37-NC-Pad2): U37#10.2
Board_8-unconnected-(U38-NC-Pad2): U38#6.2
Board_8-unconnected-(U39-NC-Pad2): U39#2.2
Board_8-unconnected-(U40-NC-Pad2): U40#6.2
Board_8-unconnected-(U41-NC-Pad2): U41#9.2
Board_8-unconnected-(U42-NC-Pad2): U42#8.2
Board_8-unconnected-(U43-NC-Pad2): U43#10.2
Board_8-unconnected-(U44-NC-Pad2): U44#6.2
Board_8-unconnected-(U45-NC-Pad2): U45#3.2
Board_8-unconnected-(U46-NC-Pad2): U46#6.2
Board_8-unconnected-(U47-NC-Pad2): U47#8.2
Board_8-unconnected-(U48-NC-Pad2): U48.2
Board_8-unconnected-(U49-NC-Pad2): U49#6.2
Board_8-unconnected-(U50-NC-Pad2): U50#10.2
Board_8-unconnected-(U51-NC-Pad2): U51#8.2
